# Altium PCB STM32F407开发板.PcbDoc (part 3 of 3)
Units mil, origin at the board's own origin, x right, y up, seen from the top; angles counter-clockwise.
Board outline 4744.49 x 3552.76 mil, 4 copper layers (Top Layer, GND02, PWR03, Bottom Layer), stack 30.595 mil thick; 184 components, 201 nets, 899 pads, 620 vias.
Unrouted connection lines stored in the file: 84.
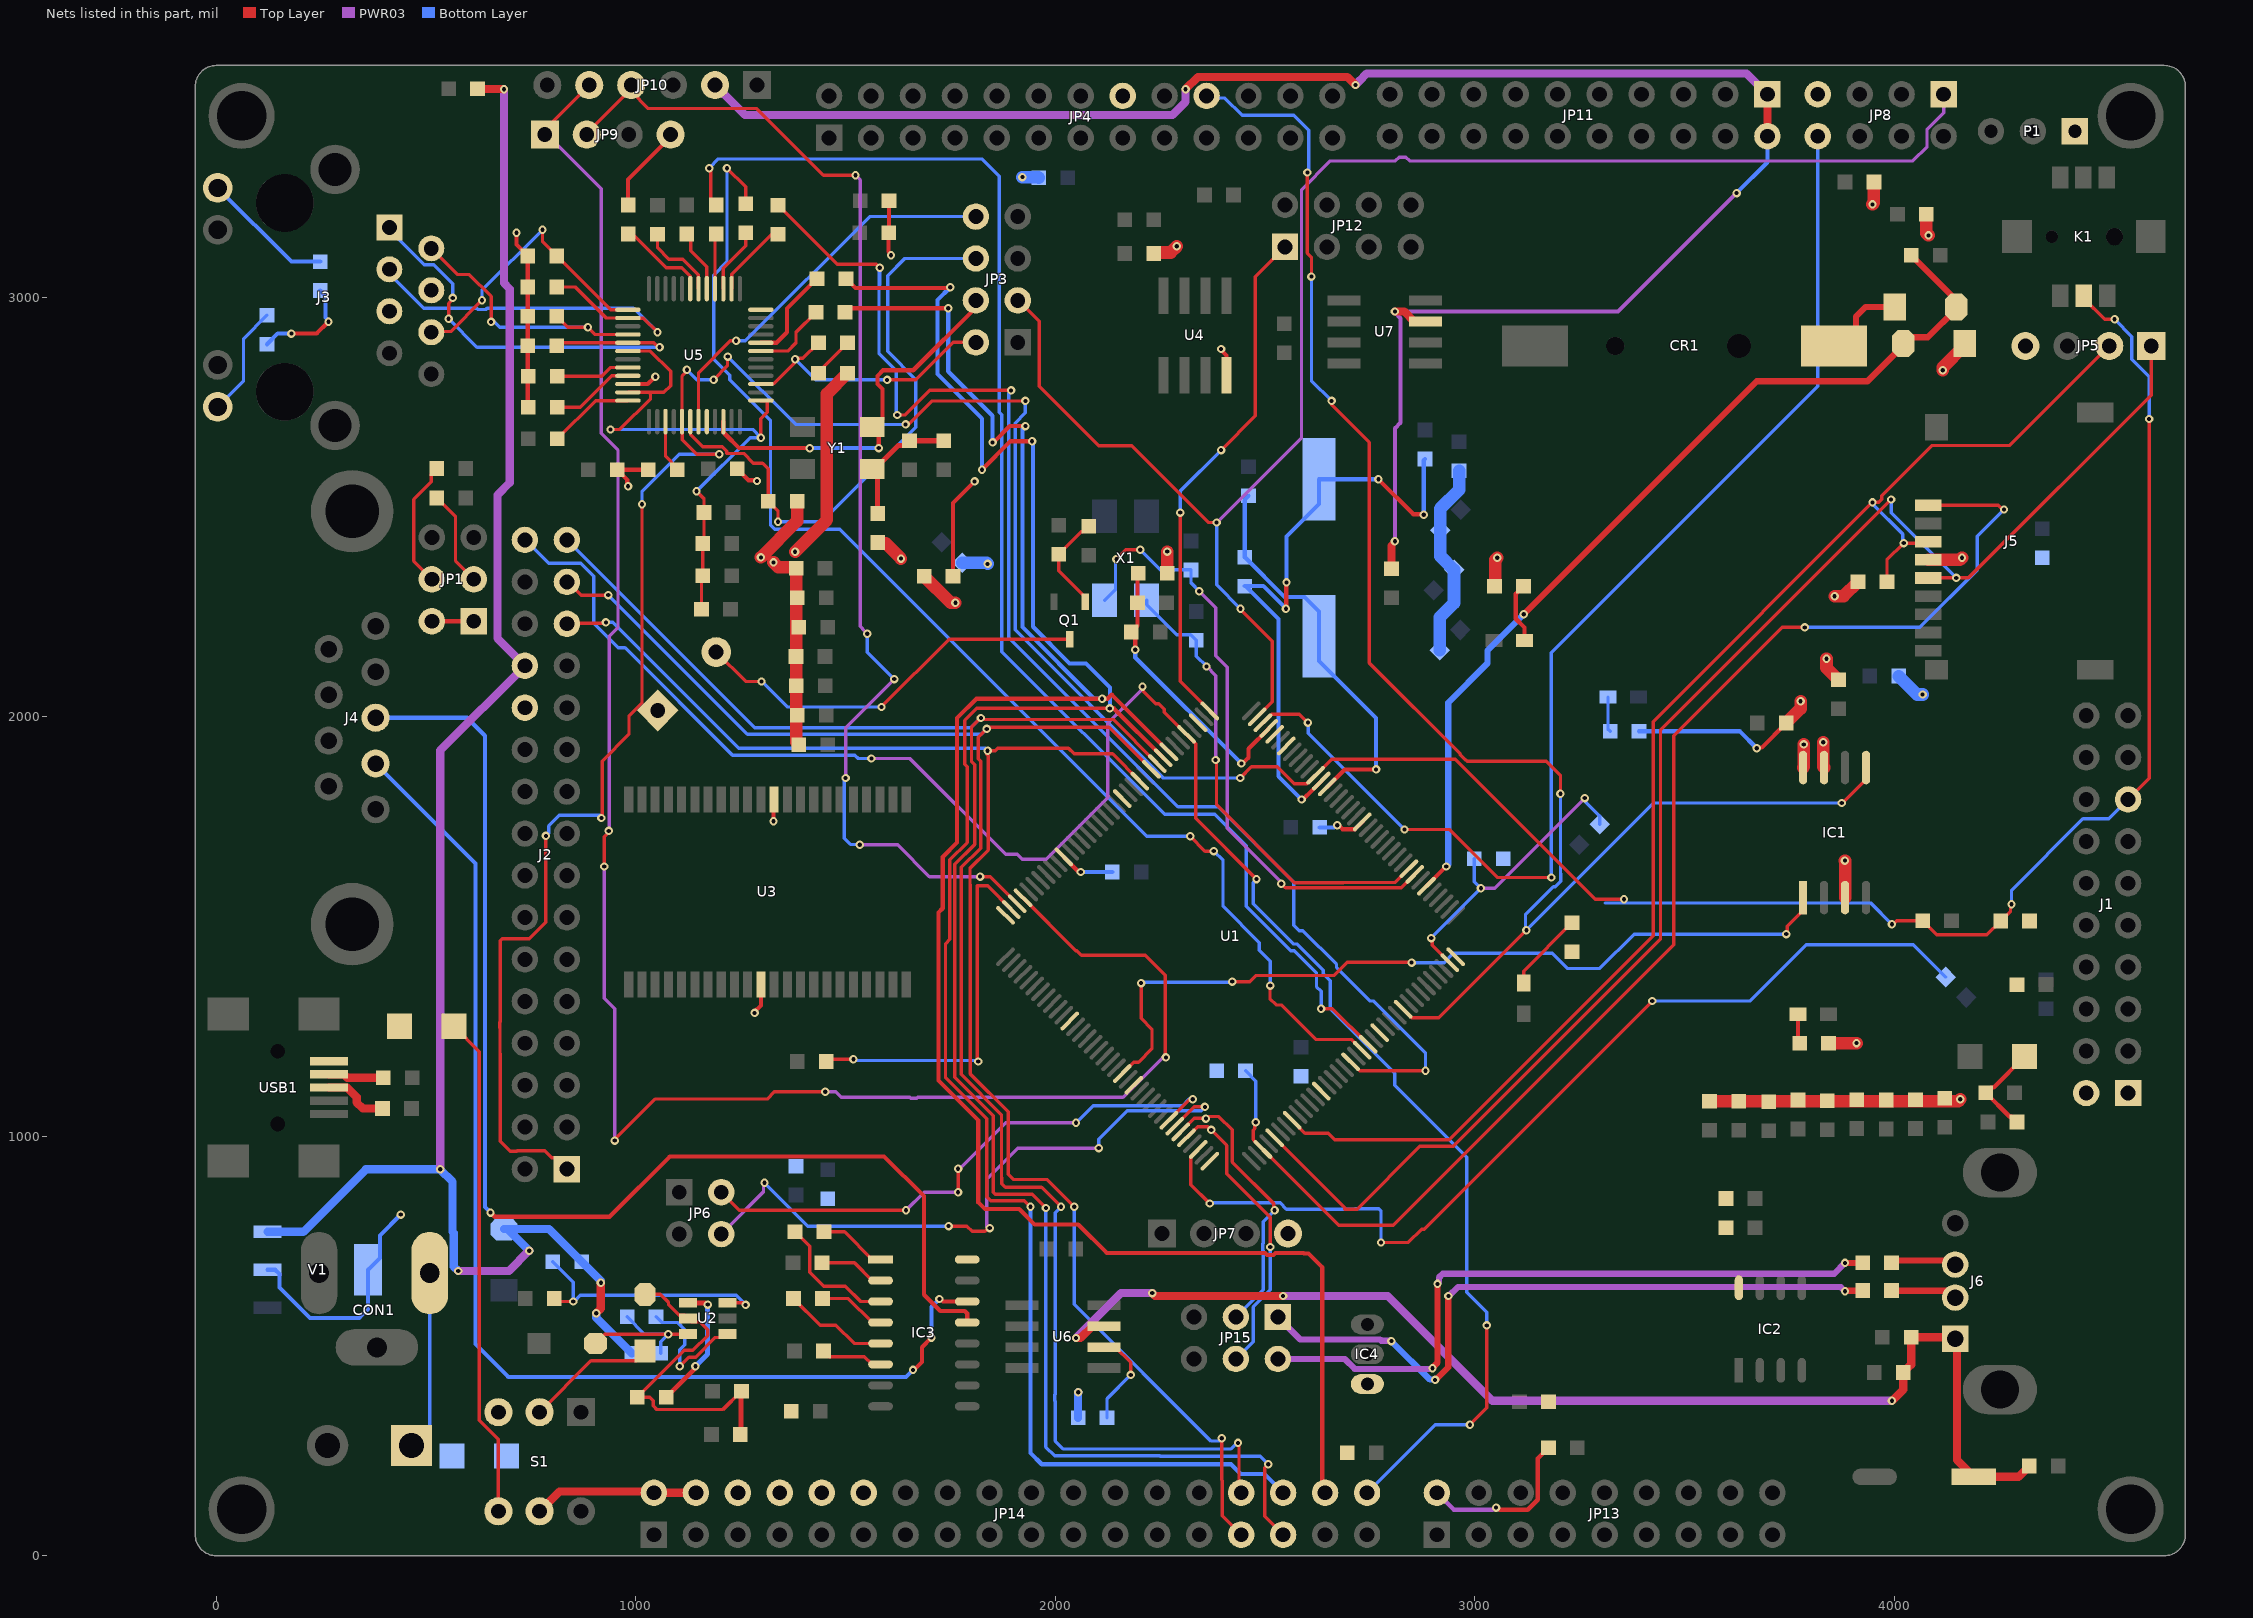
[diagram p5: the nets of this part, all layers, seen from the top]

## Via types
v1: diameter 20, hole 10, Top Layer to Bottom Layer, 620 vias

## Nets (pads, with @x,y where several pads share a name; then routed paths per layer and width w, separated by ;. In a path a pad name is that pad's centre, name@x,y a point inside that pad or via, vN(x,y) a via of type N, cw(c..) or ccw(c..) an arc to the next point about the centre after c; other vN are vias at no path point) (continued)
NetB1_2: B1.2 Q1.3 | length 964
  Top Layer w8: B1.2@1191.88,2154.19 1261.92,2084.15 v1(1300,2084.15) ; v1(1585.97,2023.36) 1747.55,2184.94 Q1.3@2034.71,2184.94
  Bottom Layer w8: v1(1300,2084.15) 1360.79,2023.36 v1(1585.97,2023.36)
NetC1_2: C1.2 U1.8 X1.2 | length 1489.4
  Top Layer w8: v1(2146.07,2375.54) 2168.53,2398 v1(2203,2398) ; v1(2539.11,1602.05) 2549.11,1592.05 2824.85,1592.05 2856.85,1624.05 U1.8@2857.35,1624.05
  PWR03 w8: v1(2343.57,2299.24) 2382.55,2260.25 2382.55,2145.39 2409.87,2118.07 2409.87,1734.17 2539.11,1604.93 v1(2539.11,1602.05)
  Bottom Layer w8: X1.2@2117.95,2277.58 2143.95,2303.58 2143.95,2373.42 v1(2146.07,2375.54) ; v1(2203,2398) 2250.93,2350.07 C1.2@2323.88,2350.07 2323.88,2318.92 v1(2343.57,2299.24)
NetC2_2: C2.2 U1.9 X1.1 | length 1125.7
  Top Layer w8: v1(2382.55,1896.79) 2384.68,1894.66 2384.68,1789.77 2570.33,1604.12 2687.26,1604.12 2688.06,1604.93 2810.39,1604.93 U1.9@2843.43,1637.97
  PWR03 w8: v1(2360.92,2119.92) 2382.55,2098.29 v1(2382.55,1896.79)
  Bottom Layer w8: X1.1@2217.95,2277.58 2217.95,2267.58 2289.99,2195.54 2322.76,2195.54 C2.2@2336.26,2182.04 2336.26,2144.59 v1(2360.92,2119.92)
NetC3_2: C3.2 R1.2 U1.23 X2.1 | length 947.5
  Top Layer w10: U1.23@2648.56,1832.84 2648.67,1832.84 2690.43,1874.6 v1(2765.07,1874.6)
  Bottom Layer w10: C3.2@2461,2527 2452,2518 R1.2@2452,2380.45 2547.04,2285.41 2594.63,2285.41 2629,2251.04 X2.1@2629,2191.99 2629,2132.93 2765.07,1996.86 v1(2765.07,1874.6)
NetC4_2: C4.2 R1.1 U1.24 X2.2 | length 1510
  Top Layer w10: v1(2550,2257.71) 2550.75,2258.46 2550.75,2319.56 v1(2551.5,2320.31) ; v1(2587.58,1802.79) 2589.49,1804.7 2592.58,1804.7 2611.16,1823.28 2611.27,1823.28 2633.81,1845.82 2633.81,1845.93 U1.24@2634.64,1846.76 ; v1(2770.57,2566) 2853.59,2482.97 2876.98,2482.97 v1(2878.59,2481.36)
  Bottom Layer w10: R1.1@2452,2311.45 R1.1@2453.64,2311.45 ; v1(2550,2257.71) 2496.26,2311.45 R1.1@2453.64,2311.45 ; v1(2551.5,2320.31) 2551.5,2429.45 2629,2506.94 X2.2@2629,2566 v1(2770.57,2566) ; v1(2587.58,1802.79) 2532.34,1858.02 2532.34,2232.75 R1.1@2453.64,2311.45 ; v1(2878.59,2481.36) 2878.59,2611.53 C4.2@2881.75,2614.69
NetC5_2: C5.2 U1.71 | length 891.3
  Top Layer w8: C5.2@1454.03,1178.08 1459.66,1183.71 v1(1518.96,1183.71) ; v1(1816.5,1178.08) 1814,1180.58 1814,1496.59 1813.87,1496.72 1813.87,1597 1839.05,1597 U1.71@1895.52,1540.53 U1.71@1895.52,1540.03
  Bottom Layer w8: v1@1518.96,1180.4 1814.18,1180.4 v1(1816.5,1178.08)
NetC6_2: C6.2 U1.106 | length 2319.9
  Top Layer w8: U1.106@2340.94,968.45 2323.54,951.05 2323.54,884.48 v1(2368.38,839.64) ; v1(2776.94,746.74) 2842.24,746.74 2873.96,778.46 2879.55,778.46 v1(3423.35,1322.27)
  Bottom Layer w8: v1(2368.38,839.64) 2369.99,841.24 2536.26,841.24 2551.38,826.13 2713.71,826.13 2715,827.42 2771.04,827.42 2776.94,821.52 v1(2776.94,746.74) ; v1(3423.35,1322.27) 3655.93,1322.27 3790.4,1456.75 4045.77,1456.75 C6.2@4122.96,1379.55
NetC18_1: C18.1 L1.1 U2.6 VD3.2 | length 397.4
  Top Layer w8: VD3.2@904,506 926.1,528.1 v1(1077.41,528.1) U2.6@1124.41,528.1
  Bottom Layer w8: C18.1@979.52,569.5 1020.93,528.1 v1(1077.41,528.1) 1059.5,510.19 L1.1@1059.5,482.66
NetC18_2: C18.2 U2.1 | length 321
  Top Layer w8: v1@1106.53,449.88 v1(1105,451.41) 1127,473.41 1142.78,473.41 1189.66,520.29 1211.09,520.29 U2.1@1218.9,528.1
  Bottom Layer w8: C18.2@1048.52,569.5 1062.02,556 1099.7,556 1116.6,539.1 1116.6,502.68 1105,491.08 v1(1105,451.41)
NetC20_2: C20.2 C21.2 R14.2 U2.5 VD4.2 | length 816.8
  Top Layer w8: VD4.2@1022,623 1059,623 1078.39,603.61 1078.39,598.48 1103.57,573.31 1116.6,573.31 U2.5@1124.41,565.5 1132.22,557.69 1153.07,557.69 1171.65,539.1 1171.65,524.91 1136.16,489.41 1115.41,489.41 R14.2@1004,378 1033.5,378 1042.01,369.49 1042.01,357.01 1050.53,348.5 1208.17,348.5 C21.2@1250.82,391.15
  Top Layer w12: C20.2@1249.57,289 1250.82,290.25 C21.2@1250.82,391.15
NetC35_1: C35.1 U6.2 | length 234.4
  Top Layer w8: U6.2@2116.13,497 2143.68,497 2180.03,460.65 v1(2180.03,431)
  Bottom Layer w8: C35.1@2123.76,328.5 2123.76,374.73 v1(2180.03,431)
NetC36_1: C36.1 IC3.1 | length 162
  Top Layer w8: C36.1@1449,772.05 1497.92,772.05 1563.97,706 IC3.1@1583.65,706
NetC36_2: C36.2 IC3.3 | length 308.5
  Top Layer w8: C36.2@1380,772.05 1414.72,737.33 1414.72,675.84 1448.06,642.5 1500.1,642.5 1536.6,606 IC3.3@1583.65,606
NetC42_2: C42.2 IC3.2 | length 157
  Top Layer w8: C42.2@1444.22,698.31 1521.65,698.31 1563.97,656 IC3.2@1583.65,656
NetC43_1: C43.1 C44.1 L3.1 Y1.4 | length 310.1
  Top Layer w12: L3.1@1576.99,2484.5 1576.99,2577.5 Y1.4@1563.92,2590.58 1569.82,2590.58 1625.75,2646.5 1641.43,2646.5 C43.1@1652.93,2658 C44.1@1734.55,2658
NetC45_1: C45.1 IC3.4 | length 162
  Top Layer w8: C45.1@1445.22,613 1506.97,613 1563.97,556 IC3.4@1583.65,556
NetC45_2: C45.2 IC3.5 | length 251.8
  Top Layer w8: C45.2@1376.22,613 1439.72,549.5 1477.39,549.5 1520.89,506 IC3.5@1583.65,506
NetC48_1: C48.1 C49.1 C50.1 C51.1 U5.18 U5.23 U5.37 | length 1380.7
  Top Layer w8: v1(940.02,2684.87) 962.18,2684.87 1035.39,2758.09 1035.39,2768.77 1030.7,2773.46 ; U5.23@981.55,2773.46 1030.7,2773.46 ; U5.18@981.55,2871.88 1035,2871.88 1083.34,2823.55 1083.34,2789.4 1067.4,2773.46 1030.7,2773.46 ; v1(1144.98,2537.39) 1162.87,2519.5 C48.1@1162.87,2487.01 1162.87,2416.01 C49.1@1159.87,2413.01 C50.1@1159.87,2336.5 1156.88,2333.52 C51.1@1156.88,2256.01 ; v1(1298.48,2665.26) 1298.48,2710.67 1313.31,2725.5 1313.31,2752.92 1312.46,2753.77 U5.37@1298.48,2753.77
  Bottom Layer w8: v1(940.02,2684.87) 1278.87,2684.87 v1(1298.48,2665.26) 1272.86,2665.26 v1(1144.98,2537.39)
NetC52_2: C52.2 IC3.6 | length 149.2
  Top Layer w8: C52.2@1447.72,488 1461.22,474.5 1545.47,474.5 1563.97,456 IC3.6@1583.65,456
NetCON1_1: CON1.1 F1.1 JP2.1 | length 428.9
  Bottom Layer w8: JP2.1@465.59,262.94 509.06,306.4 CON1.1@509.06,673.83
NetCR1_DC+: CR1.DC+ VD2.1 | length 200.1
  Top Layer w15: CR1.DC+@3857,2884 3867.35,2884 3909.06,2925.71 3909.06,2954 3932.06,2977 VD2.1@4001.97,2977
NetF1_2: F1.2 S1.3 | length 7.3
  Bottom Layer w40: S1.3@672.57,342.11 S1.3@672.57,349.4
NetF2_1: F2.1 S1.4 | length 1199.8
  Top Layer w8: F2.1@567,1262 627.11,1201.89 627.11,323.28 672.57,277.81 S1.4@672.57,105.89
NetF2_2: F2.2 USB1.1
NetIC3_13: IC3.13 J4.3 | length 2943.9
  Top Layer w10: J4.3@380,1997.69 J4.3@385.31,1997.69 ; v1(654,818) 664,808 937.35,808 1081.35,952 1592.29,952 1687.06,857.23 1687.06,622.16 1726.06,583.16 1784.49,583.16 1790.35,577.3 IC3.13@1790.35,556
  Bottom Layer w10: J4.3@376.61,1997.69 J4.3@380,1997.69 598.01,1997.69 640.89,1954.81 640.89,831.11 v1(654,818)
NetIC3_14: IC3.14 J4.2 | length 2830.3
  Top Layer w10: v1(1661,443) 1663.84,443 1682.27,461.43 1682.27,497 v1(1705.27,520) ; v1(1724,612) 1726.71,612 1732.71,606 IC3.14@1790.35,606
  Bottom Layer w10: J4.2@380,1888.52 618,1650.52 618,504.7 696.34,426.36 1644.36,426.36 v1(1661,443) ; v1(1705.27,520) 1705.27,593.27 v1(1724,612)
NetJ3_1: J3.1 R24.2 U5.17 | length 1081.4
  Top Layer w8: v1(554,2948.66) 554,2985.29 564,2995.29 v1(564,2998.54) ; R24.2@811.9,2884.52 818.95,2891.57 U5.17@981.55,2891.57 1043.18,2891.57 1053.75,2881 v1(1057,2881)
  Bottom Layer w8: J3.1@412.75,3166.73 420,3159.48 420,3153.61 495.82,3077.79 518.21,3077.79 564,3032 v1(564,2998.54) ; v1(554,2948.66) 621.66,2881 v1(1057,2881)
NetJ3_2: J3.2 R25.2 U5.16 | length 674.8
  Top Layer w8: J3.2@512.75,3116.73 575.3,3054.17 603.31,3054.17 655.53,3001.95 655.53,2941.57 v1(655.22,2941.25) ; R25.2@811.91,2954.53 837.91,2928.53 v1(886,2928.53) 903.28,2911.25 U5.16@981.55,2911.25
  Bottom Layer w8: v1(655.22,2941.25) 663.28,2941.25 676,2928.53 v1(886,2928.53)
NetJ3_3: J3.3 R26.2 U5.14 | length 995
  Top Layer w8: R26.2@811.91,3024.54 855.53,3024.54 929.44,2950.62 U5.14@981.55,2950.62 981.91,2950.27 1018.41,2950.27 v1(1052.03,2916.64)
  Bottom Layer w8: J3.3@412.75,3066.73 412.75,3055.91 494.94,2973.73 621.53,2973.73 624.42,2970.84 642.65,2970.84 645.53,2973.73 994.95,2973.73 v1(1052.03,2916.64)
NetJ3_6: J3.6 R27.2 U5.13 | length 679.3
  Top Layer w8: J3.6@512.75,2916.73 514.33,2918.3 559,2918.3 v1(633.53,2992.84) ; v1(777.9,3160.86) 777.9,3132.62 R27.2@811.9,3098.62 940.21,2970.31 U5.13@981.55,2970.31
  Bottom Layer w8: v1(633.53,2992.84) 633.53,3016.49 v1(777.9,3160.86)
NetJ3_9: J3.9 R35.1 | length 317.4
  Bottom Layer w10: J3.9@3.46,3260.86 179.32,3085 R35.1@248,3085
NetJ3_12: J3.12 R30.1 | length 267
  Bottom Layer w8: J3.12@3.46,2738.81 65.15,2800.5 65.15,2901.24 R30.1@121,2957.09
NetJP1_3: JP1.3 R9.2 | length 230.4
  Top Layer w8: R9.2@526.01,2521.64 570.5,2477.15 570.5,2371.19 JP1.3@614,2327.7
NetJP1_4: JP1.4 R10.1 | length 305
  Top Layer w8: JP1.4@514,2327.7 470.5,2371.19 470.5,2518.11 512.51,2560.11 512.51,2578.15 R10.1@526.01,2591.65
NetLED1_1: LED1.1 R16.1 | length 70.7
  Top Layer w10: LED1.1@3770.84,1290.92 3770.84,1225.91 R16.1@3774.84,1221.91
NetLED2_1: LED2.1 R62.2 | length 145.7
  Top Layer w10: R62.2@3116.46,2311.45 3098.06,2293.05 3098.06,2233.69 3118.96,2212.79 LED2.1@3118.96,2182.04
NetLED3_1: LED3.1 R63.2 | length 83.8
  Bottom Layer w8: LED3.1@3318,2047 3318,1970.32 R63.2@3323,1965.32
NetLED4_1: LED4.1 R65.2 | length 191.3
  Top Layer w8: LED4.1@3117,1365 3117,1393.67 R65.2@3232,1508.67
NetQ1_1: Q1.1 R49.1 R52.2 | length 238.3
  Top Layer w8: Q1.1@2072.12,2274.24 2072.12,2285.06 2008.88,2348.3 R52.2@2008.88,2387.77 2061.82,2440.71 2066.38,2440.71 R49.1@2079.88,2454.21
NetR3_1: R3.1 R4.1 U1.143 | length 735.2
  Top Layer w8: v1(2896.81,1472.23) 2899.11,1469.94 2899.11,1455.62 U1.143@2940.87,1413.87
  PWR03 w8: v1(3015,1591.06) 3047.72,1591.06 v1(3262.65,1805.98)
  Bottom Layer w8: v1(2896.81,1472.23) 2896.81,1472.87 v1(3015,1591.06) 2999,1607.06 R4.1@2999,1661.71 ; v1(3262.65,1805.98) 3264.94,1803.69 3264.94,1796.47 3298.35,1763.06 R3.1@3298.35,1743.97
NetR13_1: R13.1 R15.2 U2.3 | length 636
  Top Layer w8: R13.1@805,614 R13.1@806,613 813,606 v1(851,606) ; U2.3@1218.9,602.9 1253.85,602.9 1258.75,598 v1(1262,598)
  Bottom Layer w8: R15.2@802.13,701 851,652.13 v1(851,606) 853.15,606 867.63,620.48 1239.52,620.48 v1(1262,598)
NetR14_1: R14.1 U2.4 | length 310.4
  Top Layer w12: R14.1@1073,378 1140.85,445.85 1140.85,449.88 v1(1142.39,451.41) ; U2.4@1124.41,602.9 1165.07,602.9 1169.49,598.48 v1(1171.65,598.48)
  Bottom Layer w12: v1(1142.39,451.41) 1171.65,480.68 v1(1171.65,598.48)
NetR28_1: R28.1 U5.2 | length 184.7
  Top Layer w8: U5.2@1228.6,3020.51 1228.95,3020.86 1228.95,3055.26 1324.25,3150.55 R28.1@1339.31,3150.55
NetR29_1: R29.1 U5.3 | length 155.6
  Top Layer w8: U5.3@1208.92,3020.51 1208.92,3069.8 1262.06,3122.95 R29.1@1262.06,3154.06
NetR31_1: R31.1 U5.4 | length 134.7
  Top Layer w8: U5.4@1189.23,3020.51 1189.23,3141.2 R31.1@1199.13,3151.1
NetR32_1: R32.1 U5.5 | length 146.6
  Top Layer w8: R32.1@1131.01,3151.1 1131.01,3111.37 1169.55,3072.83 U5.5@1169.55,3020.51
NetR34_1: R34.1 U5.6 | length 190.1
  Top Layer w8: R34.1@1052.03,3150.55 1052.03,3117.71 1078.64,3091.1 1112.04,3091.1 1149.51,3053.64 1149.51,3020.86 U5.6@1149.86,3020.51
NetR36_1: R36.1 U5.43 | length 184.4
  Top Layer w8: U5.43@1298.48,2871.88 1362.42,2871.88 1382.18,2891.65 1382.18,2916.64 R36.1@1429.94,2964.4
NetR38_1: R38.1 U5.44 | length 230.2
  Top Layer w10: U5.44@1298.48,2891.57 1298.56,2891.65 1335.91,2891.65 1360.99,2916.73 1360.99,2972.94 R38.1@1432.45,3044.39
NetR39_2: R39.2 R42.2 | length 101.2
  Top Layer w8: R42.2@1436,2819 1449.5,2832.5 1449.5,2836.15 R39.2@1505,2891.65
NetR40_1: R40.1 U5.21 | length 199.7
  Top Layer w8: R40.1@813,2737.69 867.55,2737.69 942.69,2812.83 U5.21@981.55,2812.83
NetR41_1: R41.1 U5.20 | length 177.3
  Top Layer w8: R41.1@812.91,2811.51 918.75,2811.51 939.75,2832.51 U5.20@981.55,2832.51
NetR45_1: R45.1 U5.27 | length 126.1
  Top Layer w8: U5.27@1071.12,2703.58 1071.12,2620.54 1098.97,2592.69 R45.1@1098.97,2589
NetR47_1: R47.1 U5.7 | length 209.4
  Top Layer w8: R47.1@992.31,3151.11 1072.87,3070.55 1109.97,3070.55 1129.82,3050.69 1129.82,3020.86 U5.7@1130.18,3020.51
NetR48_1: R48.1 U5.24 | length 206.4
  Top Layer w8: R48.1@813,2662.52 904.25,2753.77 U5.24@981.55,2753.77
NetS1_2: S1.2 VD4.1 | length 312.9
  Top Layer w8: S1.2@771,342.11 893.39,464.5 1001,464.5 1022,485.5 VD4.1@1022,488
PA0: JP8.8 U1.34 | length 2902.1
  Top Layer w8: U1.34@2495.45,1985.96 2495.95,1985.96 2516.35,2006.36 2582.1,2006.36 v1(2602.5,1985.96) ; v1(2832.82,1731.26) 2939.59,1731.26 3053.96,1616.88 v1(3183,1616.88)
  Bottom Layer w8: v1(2602.5,1985.96) 2603.37,1985.09 2603.37,1960.71 v1(2832.82,1731.26) ; v1(3183,1616.88) 3182.6,1617.29 3182.6,2152.36 3818,2787.77 JP8.8@3818,3384
PA1: JP3.3 JP8.1 U1.35 | length 3928.2
  Top Layer w8: JP3.3@1911,2992.5 1911.99,2992.5 1961.99,2942.5 1961.99,2787.77 2103.39,2646.37 2182.49,2646.37 2365.86,2463 v1(2385,2463) ; v1(2441.77,2257.71) 2441.77,2255.83 2517.7,2179.9 2517.7,2036.05 ; U1.35@2501.93,2020.77 2481.53,2000.37 U1.35@2481.53,1999.87 2517.7,2036.05 ; U1.35@2502.18,2020.52 2517.7,2036.05
  PWR03 w8: v1(2385,2463) 2587.43,2665.43 2587.43,3256.41 2656.03,3325 2810.97,3325 2819.91,3333.94 2836.21,3333.94 2845.15,3325 4045,3325 4078.57,3358.57 4078.57,3400.33 4118,3439.77 JP8.1@4118,3484
  Bottom Layer w8: v1(2385,2463) 2385,2314.48 v1(2441.77,2257.71)
PA3: JP12.1 U1.37 | length 1239.2
  Top Layer w8: v1(2298.17,2486.78) 2298.17,2174.35 2298.17,2084.41 U1.37@2368.78,2013.79 ; v1(2395.68,2635.73) 2477,2717.05 2477,3049.22 JP12.1@2548,3120.22
  Bottom Layer w8: v1(2298.17,2486.78) 2298.17,2538.21 v1(2395.68,2635.73)
PA5: J2.32 JP14.36 U1.41 | length 4573.6
  Top Layer w8: v1(2208.3,2071.96) 2210.6,2069.67 2210.6,2060.62 2239.92,2031.3 2247.48,2031.3 2260.37,2018.41 2260.37,2010.85 U1.41@2313.1,1958.12 2335.45,1935.77 2335.45,1757.55 v1(2480,1613) ; v1(2988.79,312.36) 3028.92,352.49 v1(3028.92,549)
  PWR03 w8: v1(1562.01,1900.48) 1653.89,1900.48 1881.97,1672.4 1909.42,1672.4 1921.37,1660.45 1978.54,1660.45 2125.41,1807.32 2125.41,1984.3 v1@2210.69,2069.57
  Bottom Layer w8: J2.32@736,2421.58 736.92,2421.58 792.25,2366.25 868.7,2366.25 900,2334.95 900,2222.89 958.69,2164.2 974.62,2164.2 1230.81,1908 1522.81,1908 1530.34,1900.48 v1(1562.01,1900.48) ; v1(2480,1613) 2471.86,1604.86 2471.86,1554.63 2568.38,1458.11 2577.01,1458.11 2638.89,1396.23 2638.89,1387.61 2656.07,1370.42 2656.07,1303.88 2809.73,1150.23 2809.73,1121.56 2980.92,950.37 2980.92,628.41 3028.92,580.41 v1(3028.92,549) ; JP14.36@2743.51,150 2905.87,312.36 v1(2988.79,312.36)
PA9: JP6.2 U1.101 | length 1361.6
  Top Layer w8: JP6.2@1204,866.59 1247.28,823.31 v1(1644.42,823.31) ; v1(1768.74,866.59) v1(1768.74,922.31) ; U1.101@2271.34,1038.04 2321.3,1088 v1(2328,1088)
  PWR03 w8: v1(1644.42,823.31) 1687.7,866.59 v1(1768.74,866.59) ; v1(1768.74,922.31) 1772.36,922.31 1882.05,1032 v1(2049.83,1032)
  Bottom Layer w8: v1(2049.83,1032) 2090.87,1073.04 2303.8,1073.04 2318.76,1088 v1(2328,1088)
PA10: JP6.4 U1.102 | length 1573
  Top Layer w8: v1(1746.1,785.69) 1789.74,785.69 1802.36,773.06 1832.82,773.06 1840.75,781 v1(1844,781) v1@1841.7,778.7 ; U1.102@2285.26,1024.12 2331.14,1070 v1(2357,1070)
  PWR03 w8: JP6.4@1204,766.59 1304.7,867.29 1304.7,886.83 v1(1307,889.12) ; v1(1844,781) 1841.31,781 1836.63,785.69 1836.63,896.95 1911.26,971.58 v1(2103.83,971.58)
  Bottom Layer w8: v1(1307,889.12) 1307,888.8 1410.11,785.69 v1(1746.1,785.69) ; v1(2103.83,971.58) 2103.83,993.2 2171.74,1061.1 2348.1,1061.1 v1(2357,1070)
PA11: JP15.3 U1.103 | length 680.6
  Top Layer w8: U1.103@2299.18,1010.2 2331.49,1042.51 v1@2357.91,1042.51 ; v1@2357.24,1043.18 v1@2357.91,1042.51 ; v1(2523.29,823.31) 2520.99,825.6 2520.99,839.64 2422.23,938.39 2422.23,1015.28 2390.57,1046.94 2363.69,1046.94 2359.4,1042.66 v1(2359.4,1042) 2358.89,1042.51 v1@2357.91,1042.51
  Bottom Layer w8: JP15.3@2431,569 2496.4,634.4 2496.4,727.23 2495.06,728.57 2495.06,743.43 2496.4,744.77 2496.4,796.42 v1(2523.29,823.31)
PA12: JP15.4 U1.104 | length 711.3
  Top Layer w8: U1.104@2313.1,996.28 2339.42,1022.6 2364.4,1022.6 v1(2372,1015) 2409,978 2409,910.67 2513,806.67 v1(2513,736)
  Bottom Layer w8: JP15.4@2431,469 2471.86,509.86 2471.86,592.98 2513,634.12 v1(2513,736)
PB0: J2.31 JP14.31 U1.46 | length 4305.7
  Top Layer w8: v1(1978,829) 1945.1,861.9 1857.31,861.9 1852.63,866.59 1852.63,1048.47 1760.36,1140.73 1760.94,1141.3 1760.94,1648.02 1808.36,1695.45 1808.36,1885.52 1800.5,1893.39 1800.5,1974.5 v1@1819.54,1993.54 ; U1.46@2243.51,1888.52 2138.49,1993.54 1823,1993.54 v1@1819.54,1993.54 ; v1(2508,218) 2500.01,210.01 2500.01,93.5 JP14.31@2543.51,50 ; v1@1819.54,1993.54 1818,1993.54 1821.46,1997 v1(1823,1997) v1@1819.54,1993.54
  Bottom Layer w8: J2.31@836,2421.58 1283.58,1974 1798.46,1974 1821.46,1997 v1(1823,1997) ; v1(1978,829) 1978,259 1999,238 2249.79,238 2250.8,236.99 2489.01,236.99 v1(2508,218)
PB1: J2.29 JP14.30 U1.47 | length 4047.3
  Top Layer w8: J2.29@836,2321.58 839,2321.58 870.55,2290.03 v1(934.5,2290.03) ; v1(2013.99,831.67) 1967.6,878.06 1881.6,878.06 1873.08,886.59 1873.08,901.3 1872,902.37 1872,1051.72 1776.36,1147.36 1776.36,1365.03 1776.36,1640.82 1822.5,1686.95 1822.5,1894.02 1817,1899.52 1817,1951 v1(1837,1971) 1841,1975 2129.18,1975 U1.47@2229.59,1874.6 ; v1(2436,269) 2438.3,266.7 2438.3,155.21 JP14.30@2443.51,150
  Bottom Layer w8: v1(934.5,2290.03) 1266.52,1958 1824,1958 v1(1837,1971) ; v1(2013.99,831.67) 1999.92,817.6 1999.92,384.3 1999.31,383.69 1999.31,368.83 1999.92,368.22 1999.92,273.27 2018.68,254.5 2419.38,254.5 2433.88,269 v1(2436,269)
PB5: IC1.5 JP4.20 U1.135 | length 3968.9
  Top Layer w8: v1(2601.25,3297.56) 2601.25,3105.46 2611,3095.71 v1(2611,3049.38) ; v1(2659.03,2752.92) 2659.03,2743.53 2748.57,2653.99 2748.57,2128.19 2965.41,1911.34 2965.41,1909.67 2978.3,1896.79 2979.97,1896.79 2982.5,1894.26 3171.02,1894.26 3204.6,1860.68 v1(3204.6,1816.29) ; U1.135@2829.51,1302.51 2830.01,1302.51 2850.41,1282.11 2914.36,1282.11 v1@3123.37,1491.12 ; v1@3123.25,1491.12 v1@3123.37,1491.12 ; v1(3123.5,1491.12) v1@3123.37,1491.12 ; v1@3878.07,1797.17 v1(3875.39,1794.49) 3877.07,1794.49 3933.1,1850.52 IC1.5@3933.1,1879